# Altium PCB Bran_Main_Assay_PCB_v1.PcbDoc (part 1 of 4) (continued)
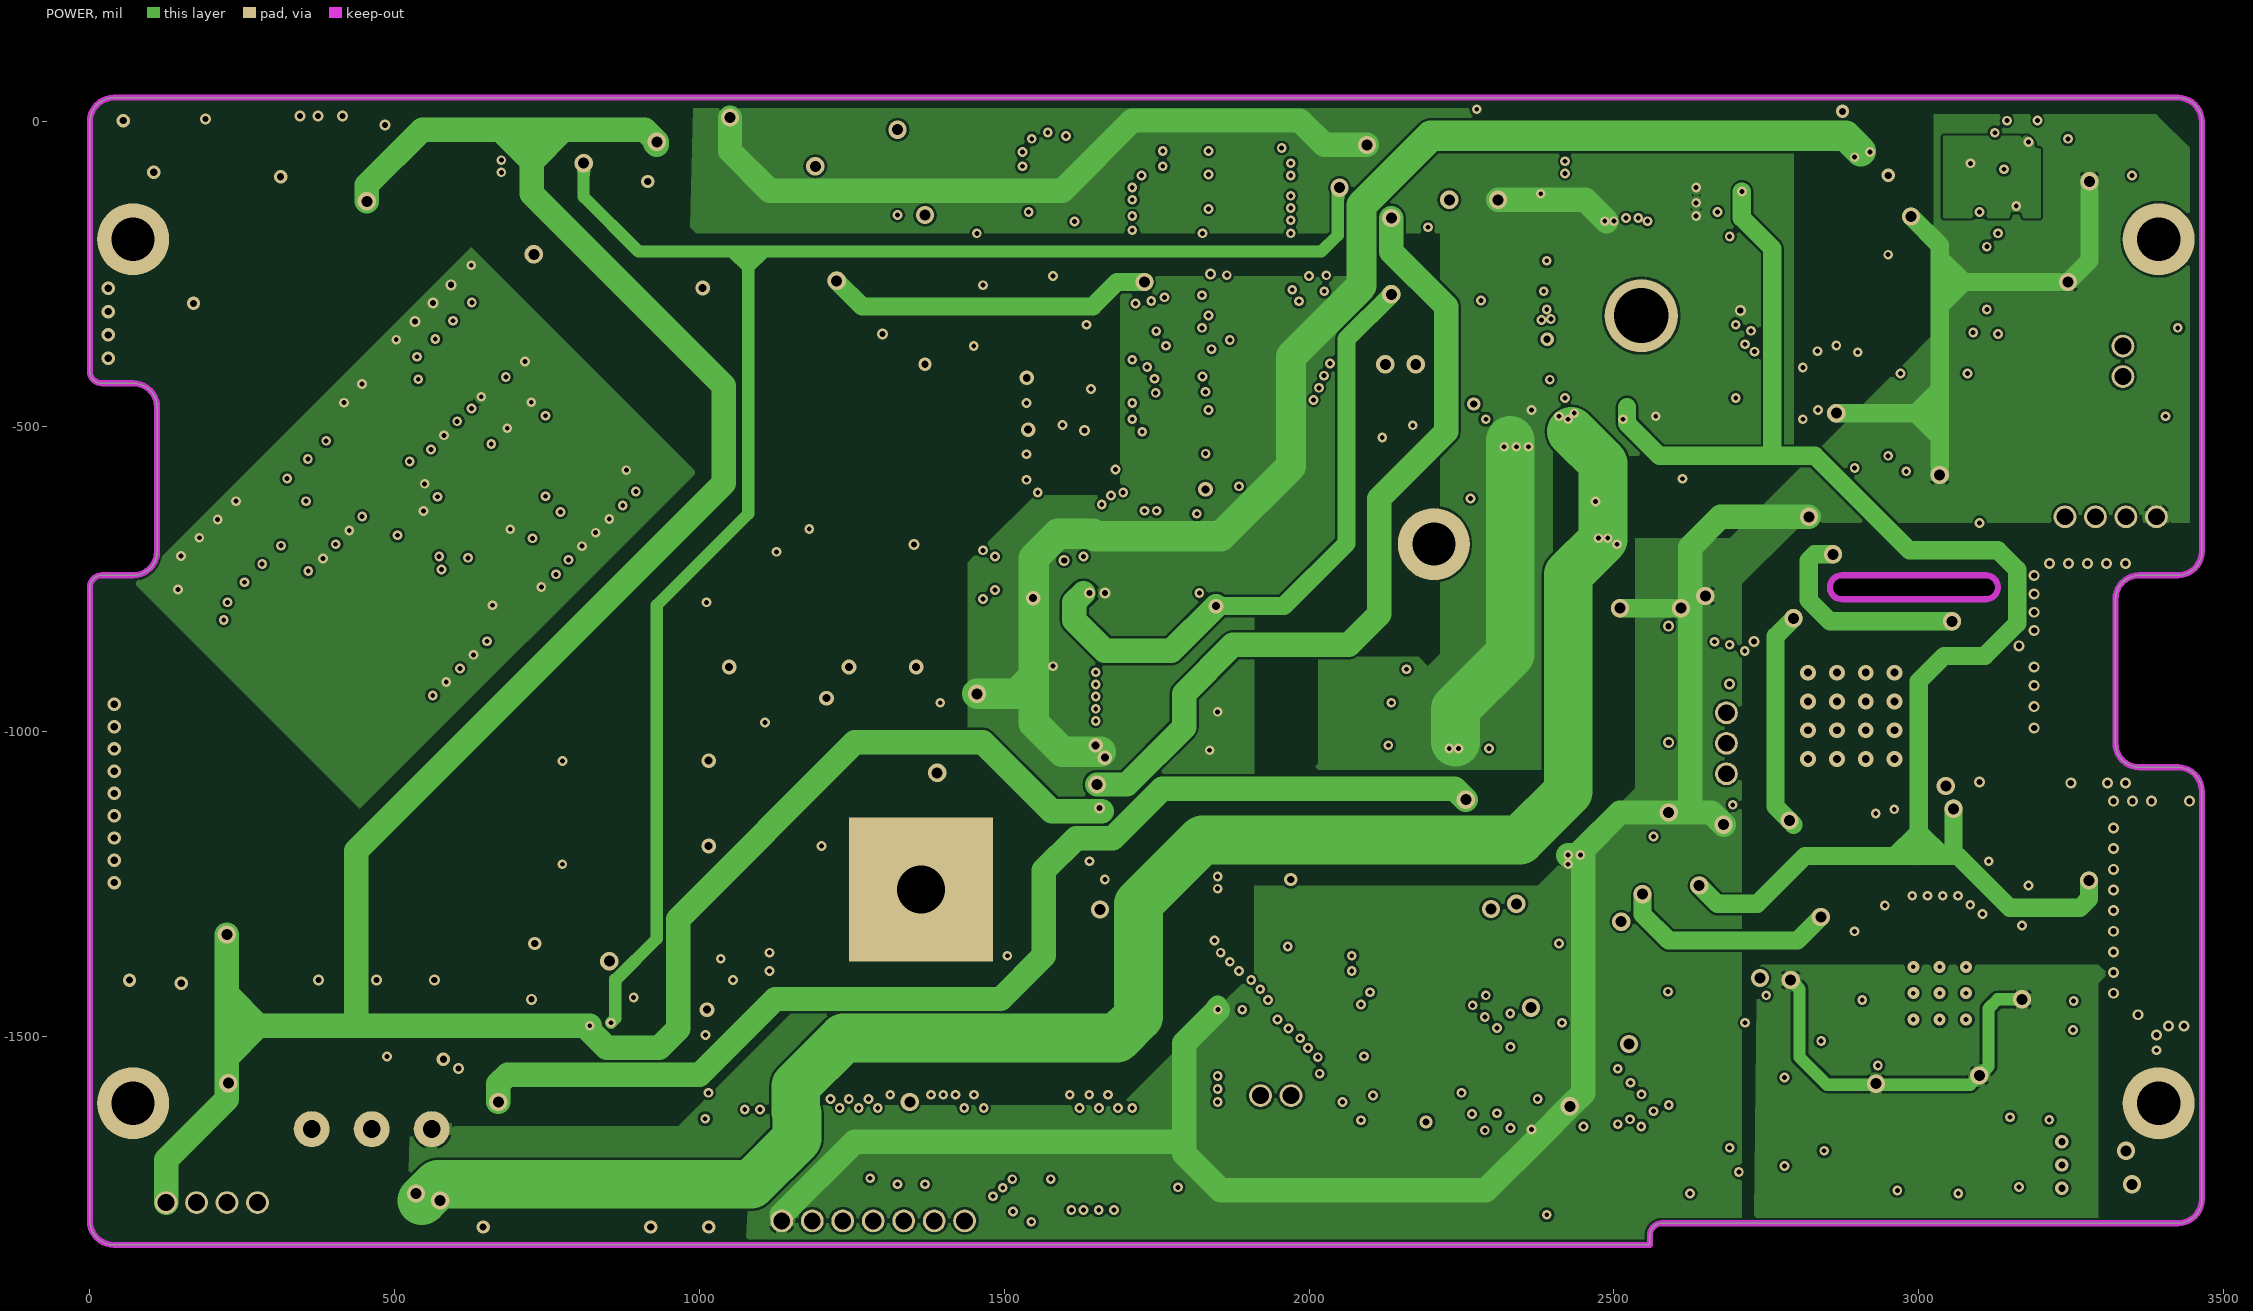
[diagram p4: POWER]
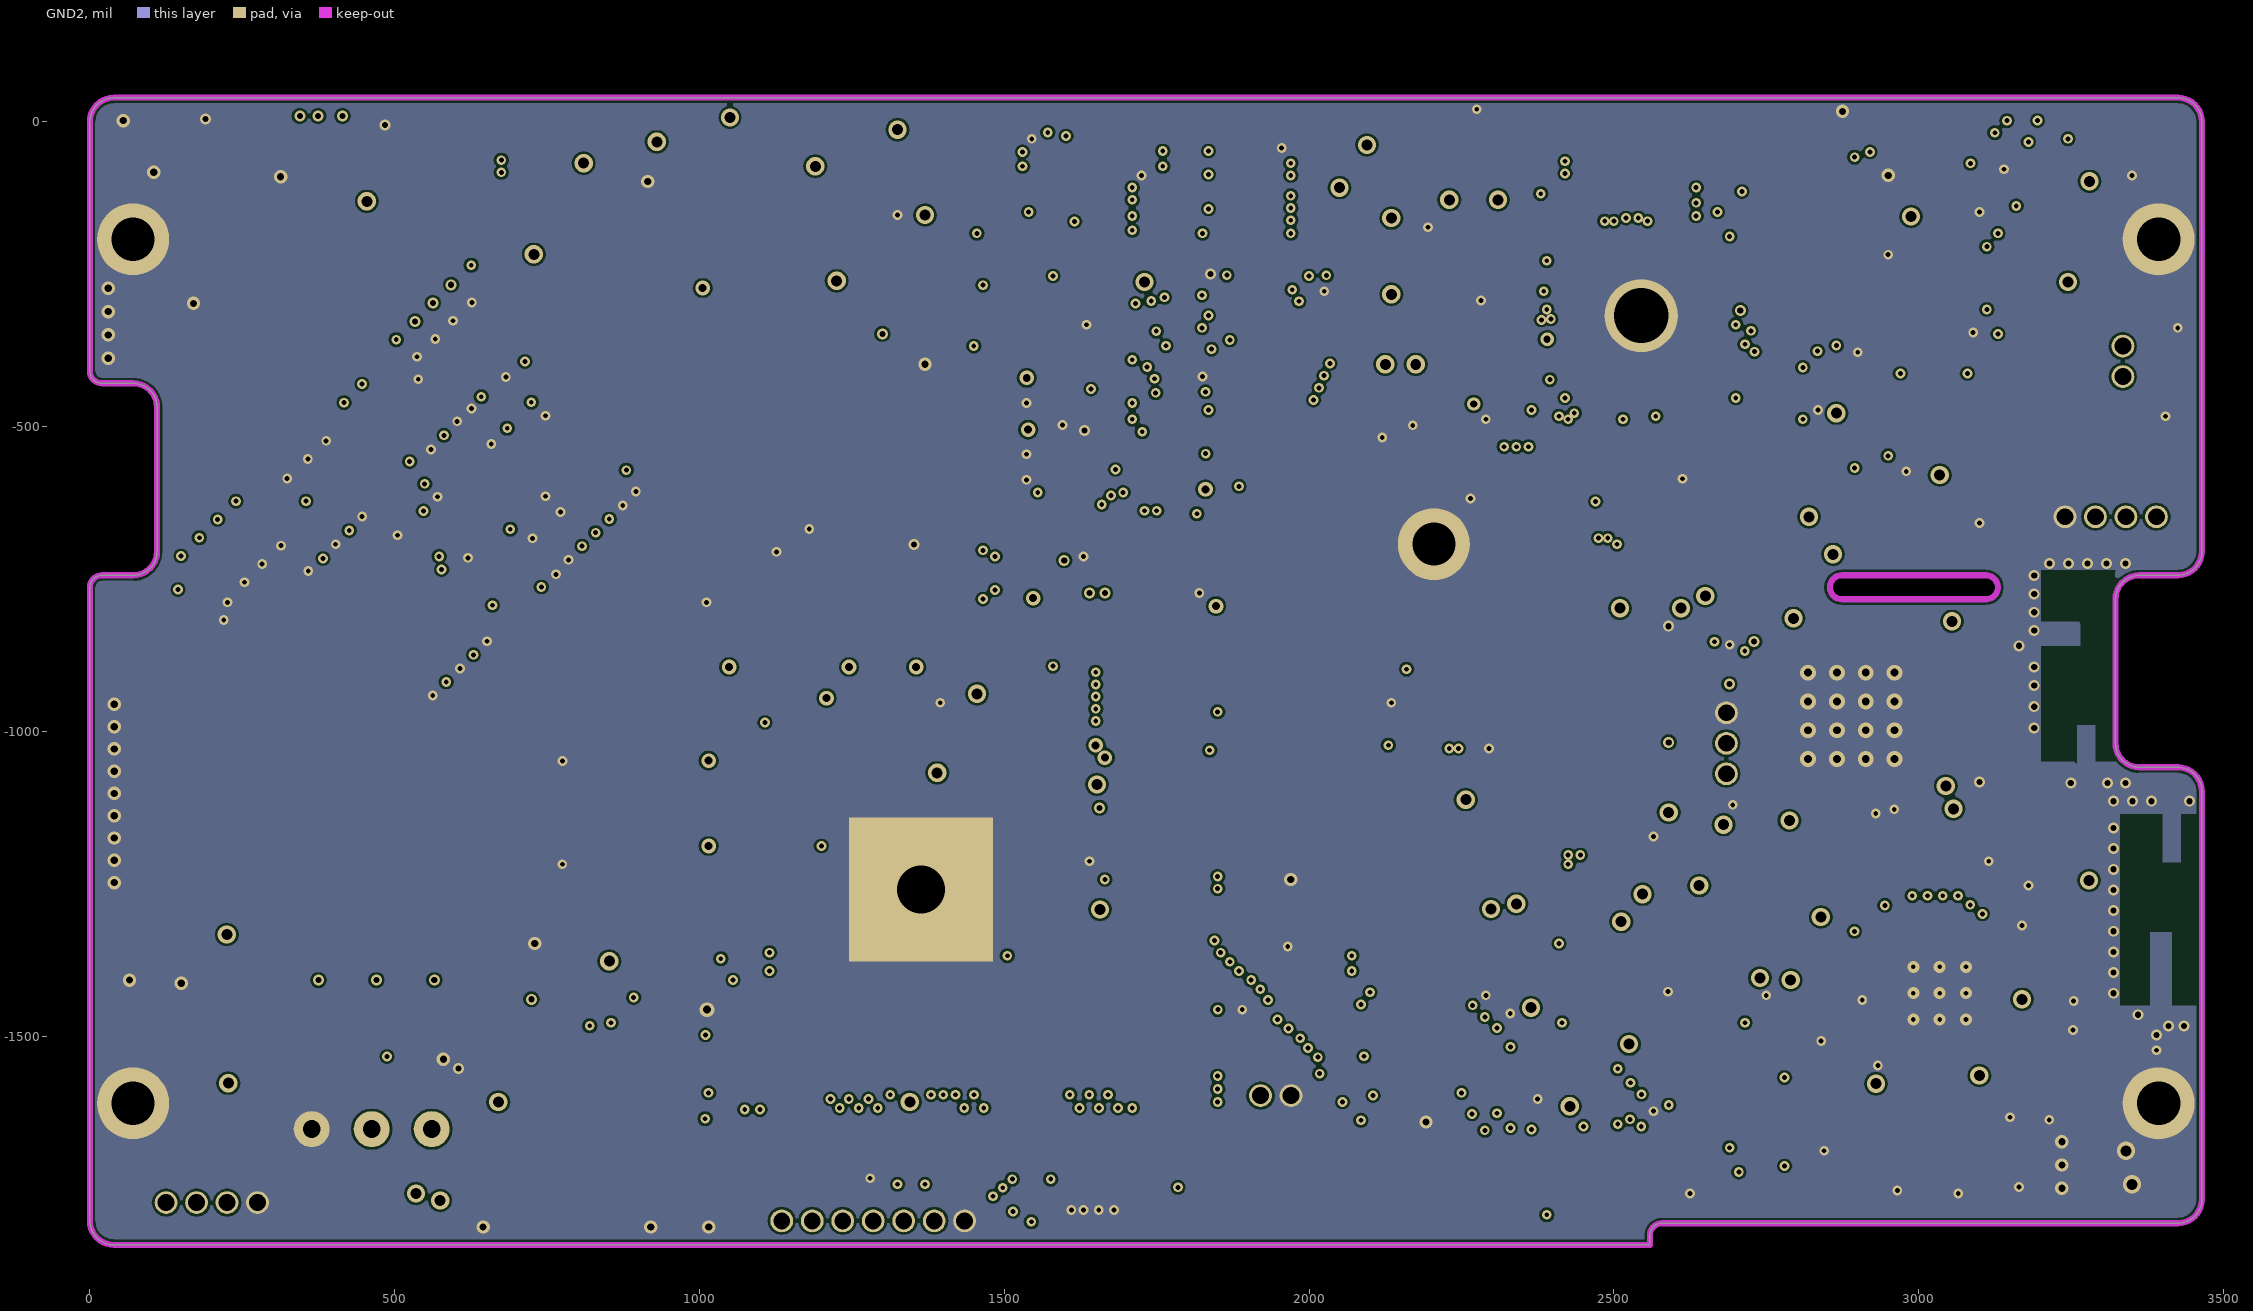
[diagram p5: GND2]
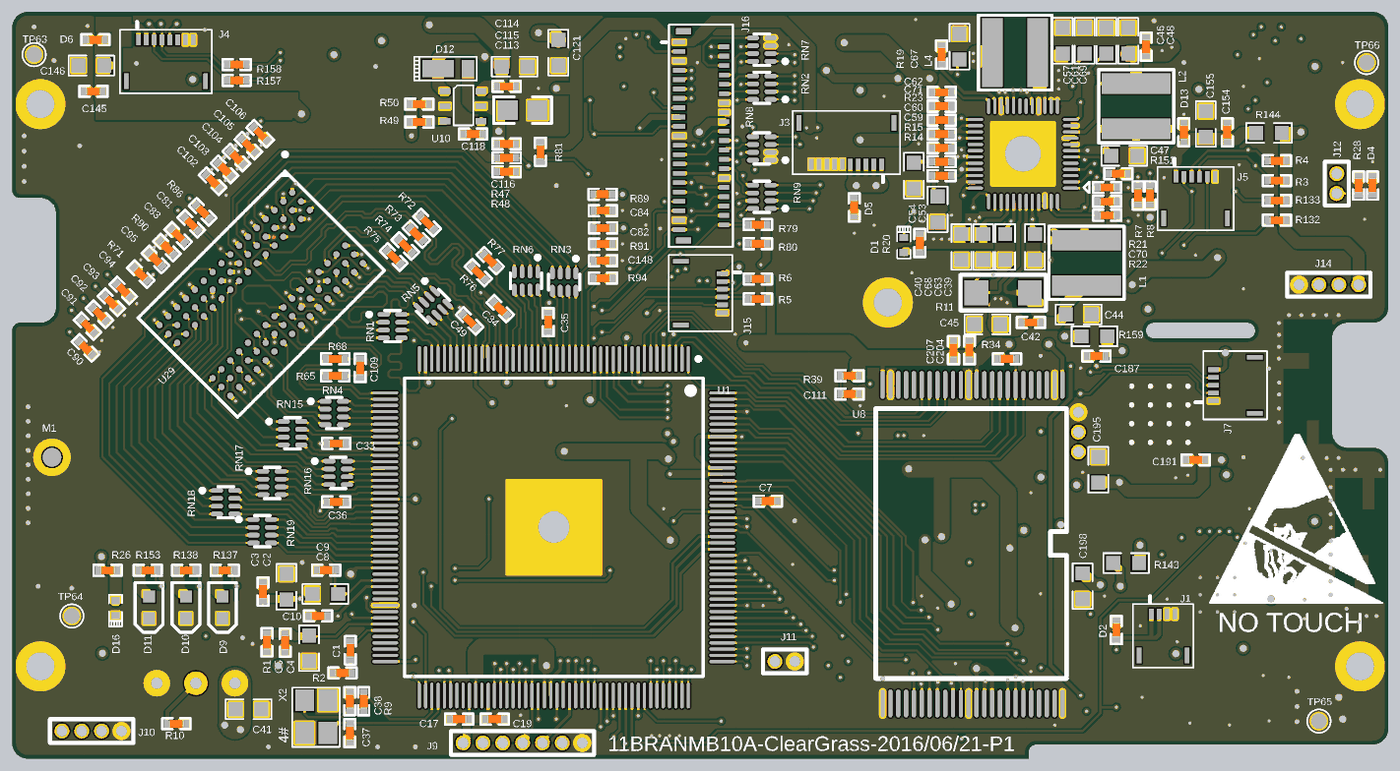
[diagram p9: 3D render of the assembled board from above, using the file's embedded part models]
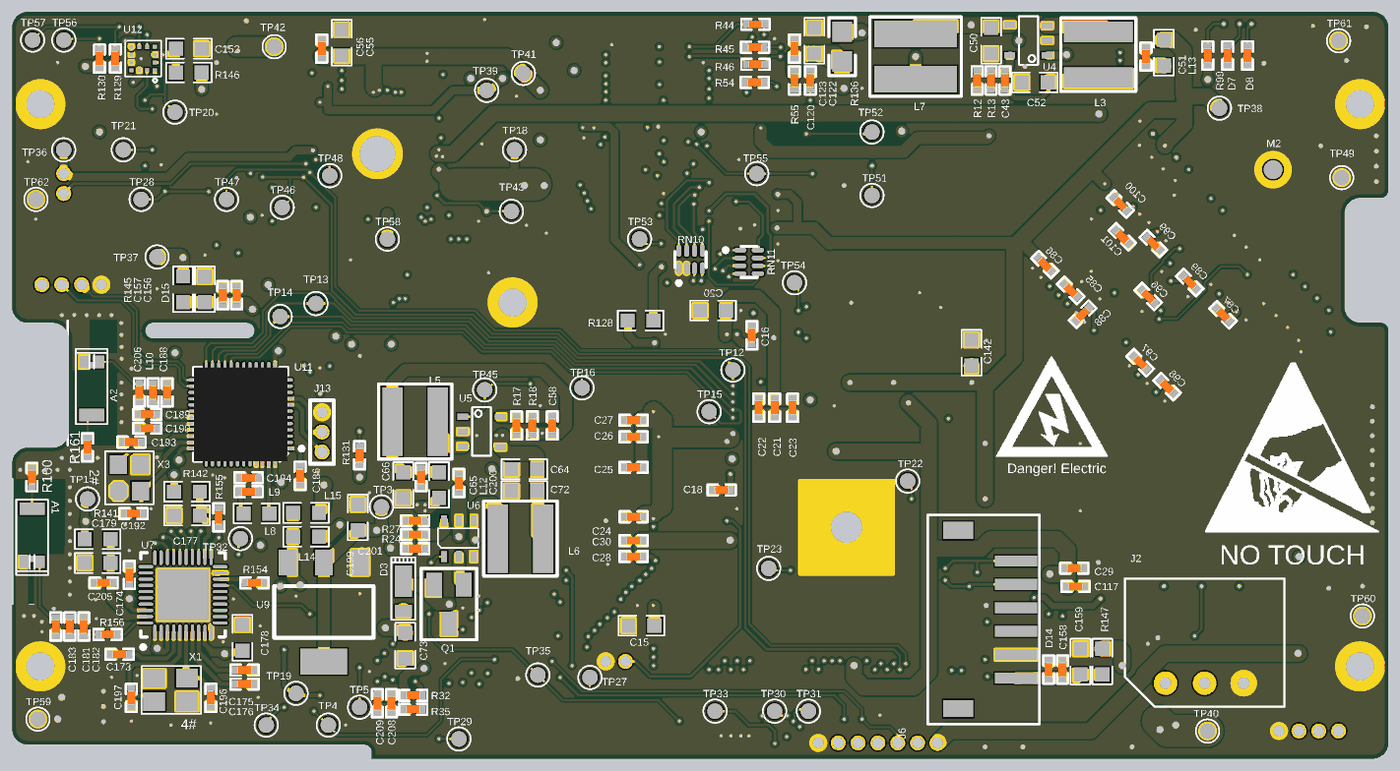
[diagram p10: 3D render of the assembled board from below, using the file's embedded part models]

## Layer stack, top to bottom
Solder Mask Top: solder mask 0.4, Solder Resist, Dk 3.5
TOP: signal copper 1.2
Dielectric1: core 10, FR-4, Dk 4.2
GND1: signal copper 1.35
Dielectric4: core 10, FR-4, Dk 4.2
Singal: signal copper 1.35
Dielectric2: prepreg 5, FR-4, Dk 4.2
POWER: signal copper 1.2
Dielectric3: core 10, FR-4, Dk 4.2
GND2: signal copper 1.35
Dielectric5: prepreg 5, FR-4, Dk 4.2
BOTTOM: signal copper 1.2
Solder Mask Bottom: solder mask 0.4, Solder Resist, Dk 3.5

## Board outline
39.37,-1842.52 cw(c39.37,-1803.15) 0,-1803.15 0,-763.78 cw(c19.69,-763.78) 19.69,-744.09 70.87,-744.09 ccw(c70.87,-704.72) 110.24,-704.72 110.24,-468.5 ccw(c70.87,-468.5) 70.87,-429.13 19.69,-429.13 cw(c19.69,-409.45) 0,-409.45 0,0 cw(c39.37,0) 39.37,39.37 3425.2,39.37 cw(c3425.2,0) 3464.57,0 3464.57,-704.72 cw(c3425.2,-704.72) 3425.2,-744.09 3362.2,-744.09 ccw(c3362.2,-783.46) 3322.83,-783.46 3322.83,-1019.69 ccw(c3362.2,-1019.69) 3362.2,-1059.06 3425.2,-1059.06 cw(c3425.2,-1098.43) 3464.57,-1098.43 3464.57,-1767.72 cw(c3425.2,-1767.72) 3425.2,-1807.09 2578.74,-1807.09 ccw(c2578.74,-1826.77) 2559.06,-1826.77 2559.06,-1842.52
cut-out: 2874.02,-744.09 3110.24,-744.09 cw(c3110.24,-763.43) 3129.57,-763.43 3129.57,-764.72 cw(c3110.83,-764.72) 3110.83,-783.46 2873.31,-783.46 cw(c2873.31,-764.72) 2854.57,-764.72 2854.57,-763.54 cw(c2874.02,-763.54) 2874.02,-744.09

## Design rules (kind name [scope] priority, off if disabled: settings)
Clearance "Clearance - Default - DEFAULT- SMD" [IsVia vs IsSMTPin] p1: gap=6
Clearance "Clearance - Default - DEFAULT - Via" [IsVia vs IsVia] p2: gap=6
Clearance "Clearance - Default - DEFAULT - Net" [All] p3: gap=4
ComponentClearance "ComponentClearance - Default - DEFAULT" [All] p1: gap=6 collisioncheckmode=3 verticalgap=10 showdistances=FALSE
DiffPairsRouting "DiffPairsRouting - DiffPair - Default" [All] p1: maxlimit=8 minlimit=8 mostfreqgap=8 toplayer_minwidth=15 toplayer_maxwidth=15 toplayer_prefwidth=15 midlayer1_minwidth=15 midlayer1_maxwidth=15 midlayer1_prefwidth=15 midlayer2_minwidth=15 midlayer2_maxwidth=15 midlayer2_prefwidth=15 midlayer3_minwidth=15 midlayer3_maxwidth=15 midlayer3_prefwidth=15 midlayer4_minwidth=15 midlayer4_maxwidth=15 midlayer4_prefwidth=15 bottomlayer_minwidth=15 bottomlayer_maxwidth=15 bottomlayer_prefwidth=15 maxuncoupledlength=500
FanoutControl Fanout_Small [(CompPinCount < 5)] p3: bgadir=Out bgaviamode=Centered fanoutstyle=Auto fanoutdirection=OutThenIn viagrid=1 // Fanout_Small (Default Rule)
FanoutControl Fanout_SOIC [IsSOIC] p4: bgadir=Out bgaviamode=Centered fanoutstyle=Auto fanoutdirection=Alternating viagrid=1 // Fanout_SOIC (Default Rule)
HoleToHoleClearance "HoleToHoleClearance - Default - DEFAULT" [All] p1: gap=6 allowstackedmicrovias=TRUE
Length "Default Length" [All] p1: maxlimit=50000 minlimit=0
MaxMinImpedance "Default Impedance" [All] p1: minimum=50.00 maximum=150.0
ParallelSegment "Default Parallel Segment Same Layer" [All] p1: limit=1000 gap=200
ParallelSegment "Default Parallel Segment Adjasent" [All] p2: limit=1000 gap=200
PlaneConnect "Default PlaneConnect" [All] p1: planeconnectstyle=Relief reliefexpansion=20 reliefentries=0 reliefconductorwidth=10 reliefairgap=10
PolygonConnect [All] p1: connectstyle=Direct reliefconductorwidth=20 reliefentries=4 polygonreliefangle="90 Angle" airgapwidth=10
PolygonConnect "PolygonConnect - Default SMT" [IsSMTPin] p2: connectstyle=Relief reliefconductorwidth=10 reliefentries=4 polygonreliefangle="90 Angle" airgapwidth=10
PolygonConnect "PolygonConnect - Default Pad" [All] p3: connectstyle=Relief reliefconductorwidth=10 reliefentries=4 polygonreliefangle="90 Angle" airgapwidth=10
RoutingLayers "RoutingLayers - Default - DEFAULT" [All] p1: top layer_v5=TRUE mid layer 1_v5=TRUE mid layer 2_v5=TRUE mid layer 3_v5=TRUE mid layer 4_v5=TRUE bottom layer_v5=TRUE
RoutingPriority "RoutingPriority - Default - DEFAULT" [All] p1: routingpriority=0
RoutingTopology "Default Routing Topology" [All] p1: topology=Shortest
RoutingVias "RoutingVias - Default - DEFAULT" [All] p1: holewidth=28 width=50 viastyle="Through Hole" minholewidth=28 minwidth=50 maxholewidth=28 maxwidth=50
SMDToCorner "SMDToCorner - Default - DEFAULT" [All] p1: distance=60000
SolderMaskExpansion [All] p1: expansion=4
Width "Default Width" [All] p1: maxlimit=80 minlimit=4 preferedwidth=6
21 further rules are at their usual default settings.

## Classes and differential pairs
differential pair D_: +USB0-DP -USB0-DM
differential pair USB1: +USB0-DP -USB0-DM
differential pair NewDifferentialPair1: +N9585783 -N17361075

## Components (designator, comment, footprint, x,y, rotation, side; value= is the part's Value field where it differs from the comment)
A1 "ASC_RFANT3216120A5T_V07" 3216 3414.57,-1279.72 r90 bottom
A2 "ASC_RFANT3216120A5T_V07" 3216 3264.57,-909.72 r270 bottom
C1 "1uF" C_0402 851.37,-1569.63 r90 top
C2 "10uF" C_0603 690.37,-1409.63 r270 top
C3 "104" C0402 631.37,-1421.63 r270 top
C4 "4.7uF" C_0603 747.37,-1564.63 r90 top
C5 "104" C_0402 687.37,-1550.63 r90 top
C7 "104" C_0402 1902.37,-1193.63 r180 top
C8 "10uF" C_0603 788.37,-1427.63 r0 top
C9 "104" C_0402 790.37,-1367.63 r0 top
C10 "104" C_0402 770,-1483.15 r0 top
C15 "4.7uF" C_0603 1880.37,-1507.63 r0 bottom
C16 "1uF" C_0402 1602.37,-775.63 r270 bottom
C17 "104" C_0402 1125,-1743.14 r0 top
C18 "1uF" C_0402 1678.37,-1165.63 r180 bottom
C19 "104" C_0402 1215,-1743.15 r180 top
C20 "4.7uF" C_0603 1700,-713.15 r180 bottom
C21 "1uF" C_0402 1545,-958.15 r90 bottom
C22 "1uF" C_0402 1585,-958.15 r90 bottom
C23 "1uF" C_0402 1500,-958.15 r90 bottom
C24 "104" C_0402 1900,-1233.15 r180 bottom
C25 "104" C_0402 1900,-1108.63 r180 bottom
C26 "104" C_0402 1900,-1031.63 r180 bottom
C27 "104" C_0402 1900,-989.63 r180 bottom
C28 "1uF" C_0402 1900,-1333.15 r180 bottom
C29 "104" C_0402 790.44,-1362.66 r0 bottom
C30 "104" C_0402 1900,-1293.15 r180 bottom
C33 "1uF" C_0402 815.87,-1048.29 r0 top
C34 "1uF" C_0402 1228.59,-708.54 r315 top
C35 "104" C_0402 1349.59,-742.54 r270 top
C36 "104" C_0402 815.85,-1195.46 r0 top
C37 "18pF-1%" C_0402 850,-1778.15 r90 top
C38 "18pF-1%" C_0402 850,-1698.15 r270 top
C39 "4.7uF" C_0603 2575,-553.15 r270 top
C40 "10uF" C_0603 2390,-553.15 r90 top
C41 "4.7uF" C_0603 595,-1718.15 r180 top
C42 "1uF" C_0402 2565,-743.15 r180 top
C43 "47pF" C_0402 965,-133.15 r90 bottom
C44 "10uF" C_0603 2685,-723.15 r0 top
C45 "10uF" C_0603 2455,-748.15 r180 top
C46 "10uF" C_0603 2810,-33.15 r90 top
C47 "10uF" C_0603 2800,-323.15 r0 top
C48 "102" C_0402 2855,-48.15 r90 top
C49 "4.7uF" C_0402 1151.61,-739.57 r135 top
C50 "4.7uF" C_0603 1000,-33.15 r270 bottom
C51 "104" C_0402 610,-73.15 r90 bottom
C52 "10uF" C_0603 890,-138.15 r0 bottom
C53 "10uF" C_0603 2330,-458.15 r270 top
C54 "10uF" C_0603 2270,-373.15 r270 top
C55 "10uF" C_0603 2635,-38.15 r90 bottom
C56 "102" C_0402 2685,-53.15 r90 bottom
C57 "10uF" C_0603 2645,-33.15 r90 top
C58 "47pF" C_0402 2105,-1003.15 r90 bottom
C59 "1uF" C_0402 2340,-303.15 r0 top
C60 "1uF" C_0402 2340,-268.15 r180 top
C61 "4.7uF" C_0603 2700,-33.15 r90 top
C62 "1uF" C_0402 2340,-163.15 r0 top
C63 "4.7uF" C_0603 2500,-553.15 r90 top
C64 "4.7uF" C_0603 2175,-1113.15 r0 bottom
C65 "104" C_0402 2435,-1133.15 r270 bottom
C66 "22uF" C_0603 2480,-1153.15 r270 bottom
C67 "4.7uF" C_0603 2385,-48.15 r90 top
C68 "10uF" C_0603 2445,-553.15 r270 top
C69 "4.7uF" C_0603 2755,-33.15 r270 top
C70 "102" C_0402 2757.06,-438.15 r180 top
C71 "1uF" C_0402 2340,-198.15 r0 top
C72 "10uF" C_0603 2175,-1168.15 r0 bottom
C73 "10uF" C_0603 2475,-1558.15 r270 bottom
C81 "104" C_0402 450.59,-494.54 r135 top
C82 "104" C_0402 1487.97,-505.08 r180 top
C83 "104" C_0402 417.59,-524.54 r315 top
C84 "104" C_0402 1487.04,-461.4 r0 top
C85 "NC/104" C_0402 799.59,-662.54 r45 bottom
C86 "NC/104" C_0402 864.59,-597.54 r225 bottom
C87 "NC/104" C_0402 416.21,-723.87 r45 bottom
C88 "NC/104" C_0402 769.59,-722.56 r315 bottom
C89 "NC/104" C_0402 499.59,-642.54 r225 bottom
C90 "104" C_0402 184.59,-807.54 r315 top
C91 "104" C_0402 189.59,-752.54 r315 top
C92 "104" C_0402 219.59,-722.54 r315 top
C93 "104" C_0402 249.59,-692.54 r315 top
C94 "104" C_0402 279.59,-662.54 r315 top
C95 "104" C_0402 360.59,-584.54 r135 top
C96 "104" C_0402 604.59,-677.54 r45 bottom
C97 "NC/104" C_0402 624.71,-844.73 r45 bottom
C98 "NC/104" C_0402 556.91,-905.22 r225 bottom
C99 "NC/104" C_0402 591.67,-544.54 r225 bottom
C100 "NC/104" C_0402 674.59,-444.54 r45 bottom
C101 "NC/104" C_0402 669.59,-527.54 r225 bottom
C102 "104" C_0402 504.59,-387.54 r315 top
C103 "104" C_0402 534.59,-357.54 r315 top
C104 "104" C_0402 564.59,-327.54 r315 top
C105 "104" C_0402 594.59,-297.54 r315 top
C106 "104" C_0402 624.59,-267.54 r315 top
C109 "NC/10pF" C_0402 876.19,-857.82 r270 top
C111 "104" C_0402 2108.37,-923.63 r180 top
C113 "10uF-50V" C_0805 1285,-208.15 r180 top
C114 "10uF" C_0603 1265,-98.15 r180 top
C115 "102" C_0402 1245,-148.15 r180 top
C116 "104-50V" C_0402 1245,-293.15 r180 top
C117 "1uF" C_0402 787.37,-1408.63 r180 bottom
C118 "1uF" C_0402 1160,-268.15 r0 top
C120 "104" C_0402 1455,-133.15 r270 bottom
C121 "10uF" C_0603 1375,-63.15 r90 top
C122 "10uF" C_0603 1445,-33.15 r270 bottom
C123 "104" C_0402 1495,-53.15 r270 bottom
C142 "4.7uF" C_0603 1049.37,-819.63 r270 bottom
C145 "104" C_0402 204.37,-160.63 r0 top
C146 "4.7uF" C_0603 199.37,-95.63 r0 top
C148 "104" C_0402 1487.59,-587.54 r180 top
C152 "4.7uF" C_0603 3020,-53.15 r0 bottom
C154 "104" C_0402 3059.37,-264.22 r270 top
C155 "4.7uF" C_0603 3005,-243.15 r270 top
C156 "104" C_0402 2934.57,-674.72 r90 bottom
C157 "4.7uF" C_0603 2979.57,-659.72 r90 bottom
C158 "104" C0402 820,-1618.15 r270 bottom
C159 "22uF" C_0603 775,-1598.15 r270 bottom
C173 "224" C_0402 3194.57,-1579.72 r0 bottom
C174 "22pF" C_0402 3169.57,-1379.72 r270 bottom
C175 "105" C_0402 2879.57,-1619.72 r0 bottom
C176 "105" C_0402 2879.57,-1654.72 r0 bottom
C177 "4.7uF" C_0603 3024.57,-1229.72 r180 bottom
C178 "4.7uF" C_0603 2885,-1538.15 r270 bottom
C179 "4.7uF" C_0603 3249.57,-1349.72 r180 bottom
C181 "10pf" C0402 3319.57,-1509.72 r270 bottom
C182 "NC" C_0402 3284.57,-1509.72 r90 bottom
C183 "NC" C_0402 3354.57,-1509.72 r270 bottom
C186 "100nF" C_0402 2739.57,-1129.72 r270 bottom
C187 "100nF" C_0402 2730,-828.15 r180 top
C188 "0.8pF" C_0402 3074.57,-919.72 r90 bottom
C189 "NC" C_0402 3124.57,-974.72 r0 bottom
C190 "100pF" C_0402 3124.57,-1009.72 r0 bottom
C191 "100nF" C_0402 2979.57,-1089.72 r0 top
C192 "12pF" C_0402 3159.57,-1224.72 r180 bottom
C193 "12pF" C_0402 3164.57,-1044.72 r180 bottom
C194 "1.0uF" C_0402 2869.57,-1134.72 r180 bottom
C195 "4.7uF" C_0603 2734.57,-1114.72 r270 top
C196 "9pF" C_0402 2964.57,-1689.72 r270 bottom
C197 "9pF" C_0402 3164.57,-1689.72 r270 bottom
C198 "10uF" C_0603 2695,-1408.15 r270 top
C199 "10uF" C_0603 2594.57,-1234.72 r90 bottom
C200 "1uF" C_0402 2340,-1148.15 r90 bottom
C201 "0.1uF" C_0402 2450,-1313.15 r180 bottom
C204 "1uF" C0402 2410,-813.15 r270 top
C205 "22pF" C_0402 3234.57,-1399.72 r180 bottom
C206 "NC" C_0402 3144.57,-919.72 r270 bottom
C207 "104" C0402 2370,-813.15 r270 top
C208 "1uF" C0402 2510,-1703.15 r90 bottom
C209 "104" C0402 2545,-1703.15 r90 bottom
D1 "LED" LED0402 2245,-548.15 r90 top
D2 "VMNZC68CST2RA" ESD_0402 2780,-1518.46 r90 top
D3 "1N5819" PROGRAM_1/2 2480,-1433.15 r180 bottom
D4 "VMNZC68CST2RA" ESD_0402 3425,-398.15 r90 top
D5 "VMNZC68CST2RA" ESD_0402 2120,-453.15 r270 top
D6 "VMNZC68CST2RA" ESD_0402 209.37,-30.63 r180 top
D7 "VMNZC68CST2RA" ESD_0402 404.37,-70.63 r270 bottom
D8 "VMNZC68CST2RA" ESD_0402 354.37,-70.63 r270 bottom
D9 "Green LED" LED_0603 529.37,-1461.63 r270 top
D10 "Yellow LED" LED_0603 437.37,-1461.63 r270 top
D11 "WHITE LED" LED_0603 344.37,-1461.63 r270 top
D12 "SS14/IN5819" PROGRAM_1/2 1110,-103.15 r90 top
D13 "VMNZC68CST2RA" ESD_0402 2950,-264.21 r90 top
D14 "VMNZC68CST2RA" ESD_0402 855,-1618.15 r90 bottom
D15 "VMNZC68CST2RA" ESD_0402 2899.57,-674.72 r90 bottom
D16 "POWER" LED0402 260,-1463.15 r270 top
J1 "50340-08-0400" 503480-0400 2897.64,-1530.51 r90 top locked
J2 "BATTARY" BL-5C 462.37,-1652.63 r180 bottom locked
J3 "50340-08-1000" 503480-1000 2100.39,-292.32 r270 top locked
J4 "50340-08-0800" 503480-0800 386.81,-82.87 r90 top locked
J5 "50340-08-0600" 503480-0600 2979.33,-428.15 r90 top locked
J6 "CI1506M1HR0-NH" WTB_SIDE_6PIN 1082.68,-1716.54 r90 bottom locked
J7 "50340-08-0500" 503480-0500 3076.59,-901.57 r180 top locked
J9 "Program" PROGRAM_1/3 1285,-1803.15 r0 top
J10 "Debug" PROGRAM_1/4 200,-1773.15 r0 top
J11 "JUMPER" PROGRAM_1/5 1945.37,-1597.63 r0 top
J12 "JUMPER" PROGRAM_1/5 3335,-393.15 r270 top
J13 "Debug" DEBUG_1 2684.57,-994.72 r90 bottom
J14 "Program" PROGRAM_1/4 3315,-648.15 r180 top
J15 "CON" 503480-0600 1735.93,-669.29 r0 top locked
J16 "AT070TN93" FH26-25S-0.3SHW 1735.93,-272.83 r270 top locked
L1 "2.2uH-DCR<0.1R-1.5A/ELL4LG2R2NA" CD32 2705,-593.15 r90 top
L2 "4.7uH-DCR<0.1R-1.5A/ELL4LG2R2NA" CD32 2830,-198.15 r90 top
L3 "2.2uH-DCR<0.1R-1.5A/ELL4LG2R2NA" CD32 730,-68.15 r90 bottom
L4 "4.7uH-DCR<0.1R-1.5A/ELL4LG2R2NA" CD32 2525,-63.15 r180 top
L5 "2.2uH-DCR<0.1R-1.5A/ELL4LG2R2NA" CD32 2450,-993.15 r180 bottom
L6 "3.3uH-DCR<0.1R-1.5A/ELL4LG2R2NA" CD32 2185,-1288.15 r0 bottom
L7 "10uH-DCR<0.1R-1.5A/ELL4LG100MA" 5040 1190,-73.15 r270 bottom
L8 "10uH" L_0603 2849.57,-1224.72 r180 bottom
L9 "15nH" L_0402 2869.57,-1169.72 r0 bottom
L10 "3.9nH" L_0402 3109.57,-919.72 r270 bottom
L12 "600R-1.5A" L_0603 2390,-1153.15 r90 bottom
L13 "600R-1.5A" L_0603 565,-63.15 r270 bottom
L14 "600R-1.5A/NA" L_0603 2725,-1283.15 r180 bottom
L15 "600R-1.5A/NA" L_0603 2725,-1223.15 r180 bottom
M1 "Bad Mark" MARK_POINT#1 100,-1083.15 r0 top
M2 "Bad Mark" MARK_POINT#2 290,-358.15 r180 bottom
"NO TOUCH" "xxx" NYD-NOtouch 3225,-1263.15 r0 top locked
"NO TOUCH" "xxx" NYD-NOtouch 250,-1083.15 r180 bottom locked
Q1 "AO3402" SOT-23-3 2365,-1453.15 r0 bottom
R1 "200K-1%" R_0402 641.37,-1549.63 r90 top